# KiCad board chastity.kicad_pcb
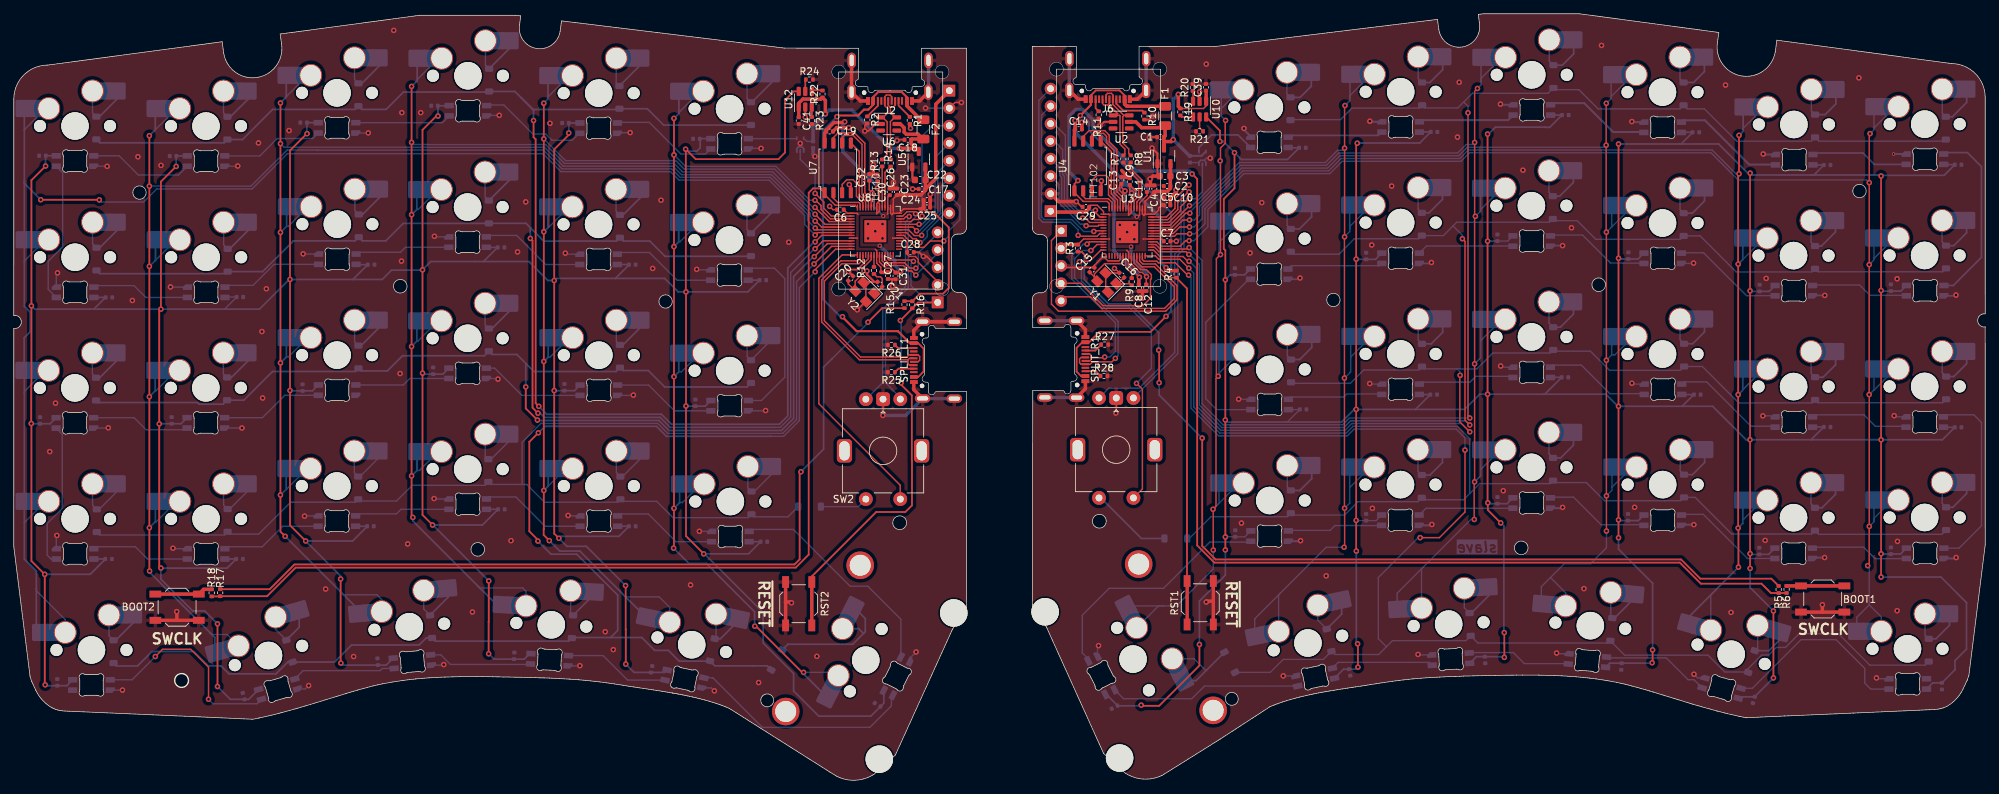
[diagram p0: board, top side]
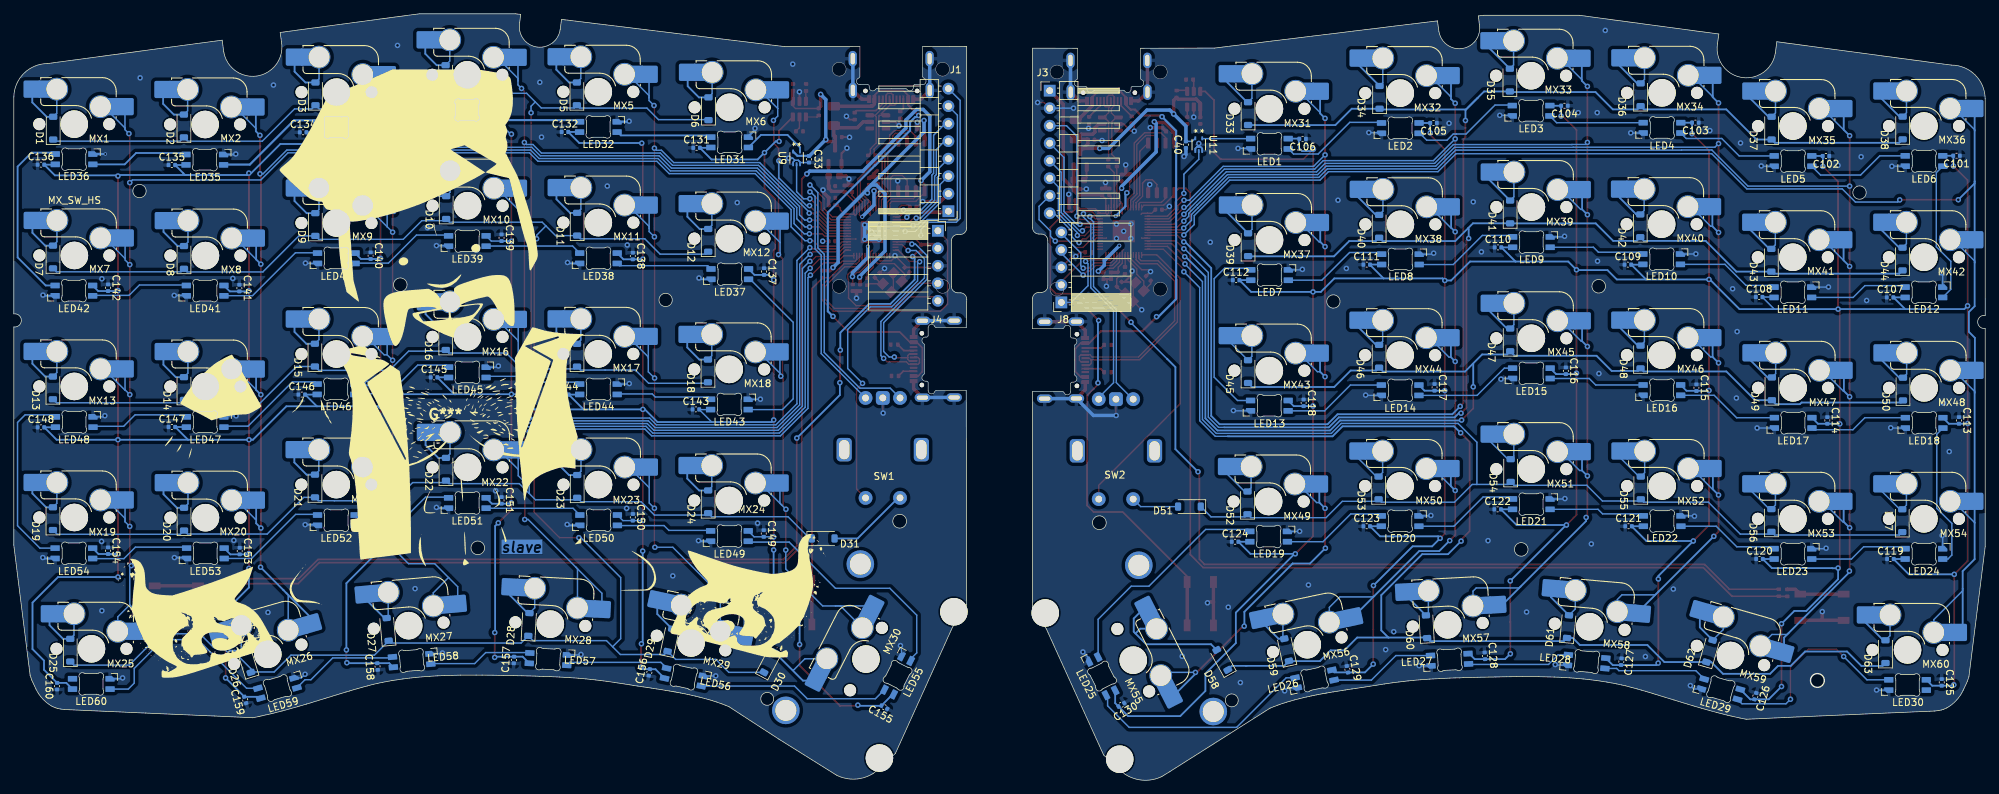
[diagram p1: board, bottom side, seen from below]

Outline 286.1 x 111.19 mm; copper layers: Top, Bottom. Coordinates in mm from the lower left corner of the outline.
Outline path: circle c18.24,85.26 r0.97 ; circle c24.35,14.48 r1 ; circle c56.09,71.67 r0.98 ; circle c67.33,33.49 r0.99 ; circle c94.59,69.46 r0.97 ; circle c109.34,11.59 r0.93 ; circle c128.56,37.36 r1 ; circle c157.54,37.58 r1 ; circle c176.76,11.81 r0.93 ; circle c191.5,69.68 r0.97 ; circle c218.76,33.72 r0.99 ; circle c230.01,71.89 r0.98 ; circle c267.85,85.48 r0.97 ; 38.84,106.93 arc(35.38,101.96) 30.46,105.49 30.24,107.14 4.91,103.75 arc(1.47,102.33) 0.01,98.91 0,67.44 arc(1.1,66.5) 0.01,65.54 0,33.91 2.37,15 2.61,14.31 3.22,13.02 arc(4.21,11.57) 5.58,10.49 6.06,10.29 6.39,10.19 6.85,10.1 7.36,10.04 8.13,10.01 29.15,9.1 34.69,8.85 35.59,9.03 37.41,9.44 38.94,9.83 41.18,10.45 42.52,10.84 45.17,11.65 48.21,12.58 48.68,12.72 49.31,12.91 49.91,13.08 50.54,13.26 51.29,13.46 52.23,13.71 52.78,13.83 53.52,13.99 54.88,14.24 56.47,14.48 57.44,14.6 58.28,14.69 59.36,14.79 60.31,14.86 61.46,14.93 62.54,14.97 64.84,15.03 67.97,15.03 69.47,15.02 71.12,14.98 73.63,14.94 75.71,14.89 76.25,14.86 76.95,14.85 77.77,14.82 79.18,14.75 80.66,14.67 81.96,14.58 83.01,14.49 83.67,14.42 84.39,14.34 85.08,14.26 86,14.14 87.19,13.97 88.41,13.78 89.3,13.64 89.99,13.53 90.58,13.44 91.33,13.33 91.89,13.25 92.51,13.15 92.84,13.1 93.3,13.03 94.07,12.91 94.62,12.82 95.1,12.74 95.56,12.66 95.68,12.64 95.79,12.62 95.97,12.59 96.14,12.56 96.4,12.51 96.74,12.45 97.04,12.39 97.4,12.32 97.81,12.23 98.05,12.18 98.5,12.08 98.94,11.98 99.55,11.83 100.21,11.66 100.89,11.47 101.39,11.32 101.93,11.15 102.76,10.86 103.23,10.68 103.78,10.46 118.4,1.21 119.49,0.55 arc(122.2,0.01) 124.82,0.87 127.94,3.67 136.25,21.96 138.27,25.11 138.24,56.41 ; 38.84,106.93 38.66,108.26 58.87,110.97 72.83,110.97 73.56,110.88 73.41,109.66 arc(75.84,106.16) 79.29,108.67 79.49,110.16 111.81,106.22 122.61,106.19 ; 131.71,106.19 138.26,106.2 138.26,80.18 arc(137.98,79.52) 137.32,79.24 136.98,79.24 arc(136.32,78.96) 136.04,78.29 136.04,71.72 arc(136.32,71.05) 136.99,70.78 137.33,70.78 arc(137.99,70.5) 138.27,69.83 138.24,65.51 ; 147.88,65.65 147.8,69.77 arc(148.08,70.44) 148.75,70.72 149.09,70.72 arc(149.75,70.99) 150.03,71.66 150.03,78.24 arc(149.76,78.9) 149.09,79.18 148.76,79.18 arc(148.09,79.46) 147.81,80.12 147.81,106.46 154.21,106.44 ; 147.88,56.55 147.81,25.45 149.86,22.23 158.16,3.89 161.31,1.03 arc(163.94,0.17) 166.65,0.71 175.07,5.97 182.32,10.68 182.87,10.9 183.34,11.08 184.17,11.37 184.71,11.54 185.21,11.69 185.89,11.88 186.55,12.05 187.16,12.2 187.6,12.3 188.05,12.4 188.29,12.45 188.7,12.54 189.06,12.61 189.36,12.67 189.7,12.73 189.96,12.78 190.13,12.81 190.31,12.84 190.42,12.86 190.54,12.88 191,12.96 191.48,13.04 192.03,13.13 192.8,13.25 193.26,13.32 193.59,13.37 194.21,13.47 194.77,13.55 195.52,13.66 196.11,13.75 196.8,13.86 197.69,14 198.91,14.19 200.1,14.36 201.02,14.48 201.71,14.56 202.43,14.64 203.09,14.71 204.14,14.8 205.44,14.89 206.92,14.97 208.33,15.04 209.15,15.07 209.85,15.08 210.39,15.11 212.47,15.16 214.98,15.2 216.63,15.24 218.13,15.25 221.26,15.25 223.56,15.19 224.64,15.15 225.79,15.08 226.74,15.01 227.82,14.91 228.66,14.82 229.63,14.7 231.22,14.46 232.58,14.21 233.32,14.05 233.87,13.93 234.81,13.68 235.56,13.48 236.19,13.3 236.79,13.13 237.42,12.94 237.89,12.8 240.93,11.87 243.58,11.06 244.92,10.67 247.16,10.05 248.69,9.66 250.51,9.25 251.41,9.07 256.95,9.32 267,9.75 277.97,10.23 278.74,10.26 279.25,10.32 279.71,10.41 280.04,10.51 280.52,10.71 arc(281.89,11.79) 282.88,13.24 283.49,14.53 283.73,15.22 286.1,34.13 286.09,65.76 arc(285,66.72) 286.1,67.66 286.09,99.13 arc(284.63,102.55) 281.19,103.97 255.86,107.36 255.64,105.71 arc(250.72,102.18) 247.26,107.15 ; 163.31,106.44 174.29,106.44 206.61,110.38 206.81,108.89 arc(210.25,106.38) 212.68,109.88 212.54,111.1 213.27,111.19 227.23,111.19 247.44,108.48 247.25,107.15

## Placement (name value [footprint] x y rotation side)
BOOT1  SW_Push  [SW_SPST_TL3342]  262.51 26.3 180 top
BOOT2  SW_Push  [SW_SPST_TL3342]  23.7 25.11 180 top
C1  1u  [C_0402_1005Metric]  166.41 93.31 180 top
C2  1u  [C_0402_1005Metric]  167.37 86.19 180 top
C3  10u  [C_0603_1608Metric]  167.07 87.65 180 top
C4  1u  [C_0402_1005Metric]  165.52 85.81 90 top
C5  100n  [C_0402_1005Metric]  167.36 83.43 0 top
C6  100n  [C_0402_1005Metric]  119.96 82.78 180 top
C7  100n  [C_0402_1005Metric]  167.37 78.2 0 top
C8  100n  [C_0402_1005Metric]  163.28 71.44 270 top
C9  100n  [C_0402_1005Metric]  161.95 86.85 90 top
C10  100n  [C_0402_1005Metric]  167.35 84.49 0 top
C11  1u  [C_0402_1005Metric]  164.45 85.83 90 top
C12  100n  [C_0402_1005Metric]  164.35 71.45 270 top
C13  100n  [C_0402_1005Metric]  160.74 87.03 90 top
C14  1u  [C_0402_1005Metric]  154.52 94.45 0 top
C15  22p  [C_0402_1005Metric]  156.47 74.05 225 top
C16  22p  [C_0402_1005Metric]  160.78 73.27 135 top
C17  1u  [C_0402_1005Metric]  131.81 85.78 180 top
C18  1u  [C_0402_1005Metric]  129.74 92.92 180 top
C19  1u  [C_0402_1005Metric]  118.39 94.12 0 top
C20  22p  [C_0402_1005Metric]  121.45 72.81 225 top
C21  22p  [C_0402_1005Metric]  125.67 71.95 135 top
C22  10u  [C_0603_1608Metric]  131.54 87.09 180 top
C23  1u  [C_0402_1005Metric]  128.17 85.36 90 top
C24  100n  [C_0402_1005Metric]  132.51 84.15 0 top
C25  100n  [C_0402_1005Metric]  132.51 83.1 0 top
C26  100n  [C_0402_1005Metric]  125.34 87.38 90 top
C27  100n  [C_0402_1005Metric]  126.87 73.2 270 top
C28  100n  [C_0402_1005Metric]  130.13 76.6 0 top
C29  100n  [C_0402_1005Metric]  155.6 83.18 180 top
C30  1u  [C_0402_1005Metric]  127.11 85.36 90 top
C31  100n  [C_0402_1005Metric]  127.95 73.17 270 top
C32  100n  [C_0402_1005Metric]  124.16 87.47 90 top
C33  100n  [C_0402_1005Metric]  170.69 90.09 90 bottom
C39  100n  [C_0402_1005Metric]  173.01 100.53 90 top
C40  100n  [C_0402_1005Metric]  116 92.2 90 bottom
C41  100n  [C_0402_1005Metric]  113.91 95.7 270 top
C101  100n  [C_0402_1005Metric]  4.16 90.6 0 bottom
C102  100n  [C_0402_1005Metric]  23.11 90.55 0 bottom
C103  100n  [C_0402_1005Metric]  42.06 95.4 0 bottom
C104  100n  [C_0402_1005Metric]  61.06 97.85 0 bottom
C105  100n  [C_0402_1005Metric]  80.06 95.35 0 bottom
C106  100n  [C_0402_1005Metric]  99.06 93.05 0 bottom
C107  100n  [C_0402_1005Metric]  13.81 70.05 180 bottom
C108  100n  [C_0402_1005Metric]  32.81 70.1 180 bottom
C109  100n  [C_0402_1005Metric]  51.86 74.8 180 bottom
C110  100n  [C_0402_1005Metric]  70.71 77.3 180 bottom
C111  100n  [C_0402_1005Metric]  89.76 74.8 180 bottom
C112  100n  [C_0402_1005Metric]  108.71 72.55 180 bottom
C113  100n  [C_0402_1005Metric]  3.81 52.2 270 bottom
C114  100n  [C_0402_1005Metric]  22.91 52.2 270 bottom
C115  100n  [C_0402_1005Metric]  41.91 56.95 270 bottom
C116  100n  [C_0402_1005Metric]  60.86 59.4 270 bottom
C117  100n  [C_0402_1005Metric]  79.91 57 270 bottom
C118  100n  [C_0402_1005Metric]  98.91 54.75 270 bottom
C119  100n  [C_0402_1005Metric]  13.76 32.1 180 bottom
C120  100n  [C_0402_1005Metric]  32.76 32.1 180 bottom
C121  100n  [C_0402_1005Metric]  51.76 36.85 180 bottom
C122  100n  [C_0402_1005Metric]  70.76 39.3 180 bottom
C123  100n  [C_0402_1005Metric]  89.76 36.85 180 bottom
C124  100n  [C_0402_1005Metric]  108.86 34.6 180 bottom
C125  100n  [C_0402_1005Metric]  6.31 14.2 270 bottom
C126  100n  [C_0402_1005Metric]  33.36 12.2 286 bottom
C127  100n  [C_0402_1005Metric]  52.81 17.2 275 bottom
C128  100n  [C_0402_1005Metric]  72.61 18.05 266 bottom
C129  100n  [C_0402_1005Metric]  92.56 16.1 259 bottom
C130  100n  [C_0402_1005Metric]  125.36 10.95 329 bottom
C131  100n  [C_0402_1005Metric]  187.01 91.75 180 bottom
C132  100n  [C_0402_1005Metric]  206.11 94.05 180 bottom
C133  100n  [C_0402_1005Metric]  225.16 96.5 180 bottom
C134  100n  [C_0402_1005Metric]  244.11 94 180 bottom
C135  100n  [C_0402_1005Metric]  263.16 89.25 180 bottom
C136  100n  [C_0402_1005Metric]  282.16 89.3 180 bottom
C137  100n  [C_0402_1005Metric]  177.21 73.8 270 bottom
C138  100n  [C_0402_1005Metric]  196.26 76.05 270 bottom
C139  100n  [C_0402_1005Metric]  215.31 78.7 270 bottom
C140  100n  [C_0402_1005Metric]  234.31 76.1 270 bottom
C141  100n  [C_0402_1005Metric]  253.36 71.4 270 bottom
C142  100n  [C_0402_1005Metric]  272.41 71.45 270 bottom
C143  100n  [C_0402_1005Metric]  187.11 53.8 180 bottom
C144  100n  [C_0402_1005Metric]  206.06 55.95 180 bottom
C145  100n  [C_0402_1005Metric]  225.11 58.45 180 bottom
C146  100n  [C_0402_1005Metric]  244.31 55.95 180 bottom
C147  100n  [C_0402_1005Metric]  263.16 51.25 180 bottom
C148  100n  [C_0402_1005Metric]  282.16 51.2 180 bottom
C149  100n  [C_0402_1005Metric]  177.26 35.8 270 bottom
C150  100n  [C_0402_1005Metric]  196.26 38.15 270 bottom
C151  100n  [C_0402_1005Metric]  215.31 40.6 270 bottom
C152  100n  [C_0402_1005Metric]  234.26 38.15 270 bottom
C153  100n  [C_0402_1005Metric]  253.31 33.25 270 bottom
C154  100n  [C_0402_1005Metric]  272.41 33.3 270 bottom
C155  100n  [C_0402_1005Metric]  159.76 10.6 28 bottom
C156  100n  [C_0402_1005Metric]  193.86 15.65 101 bottom
C157  100n  [C_0402_1005Metric]  213.51 17.45 93 bottom
C158  100n  [C_0402_1005Metric]  233.31 16.5 86 bottom
C159  100n  [C_0402_1005Metric]  252.51 11.65 74 bottom
C160  100n  [C_0402_1005Metric]  279.81 13.65 90 bottom
D1  D_Small  [D_SOD-123]  280.38 94.6 90 bottom
D2  D_Small  [D_SOD-123]  261.41 94.92 90 bottom
D3  D_Small  [D_SOD-123]  242.32 99.58 90 bottom
D4  D_Small  [D_SOD-123]  223.43 102.09 90 bottom
D5  D_Small  [D_SOD-123]  204.38 99.58 90 bottom
D6  D_Small  [D_SOD-123]  185.28 97.42 90 bottom
D7  D_Small  [D_SOD-123]  280.41 75.91 90 bottom
D8  D_Small  [D_SOD-123]  261.4 75.85 90 bottom
D9  D_Small  [D_SOD-123]  242.33 80.62 90 bottom
D10  D_Small  [D_SOD-123]  223.34 83.08 90 bottom
D11  D_Small  [D_SOD-123]  204.34 80.67 90 bottom
D12  D_Small  [D_SOD-123]  185.32 78.33 90 bottom
D13  D_Small  [D_SOD-123]  280.42 56.92 90 bottom
D14  D_Small  [D_SOD-123]  261.4 56.83 90 bottom
D15  D_Small  [D_SOD-123]  242.4 61.68 90 bottom
D16  D_Small  [D_SOD-123]  223.41 64.08 90 bottom
D17  D_Small  [D_SOD-123]  204.36 61.66 90 bottom
D18  D_Small  [D_SOD-123]  185.36 59.38 90 bottom
D19  D_Small  [D_SOD-123]  280.41 37.95 90 bottom
D20  D_Small  [D_SOD-123]  261.39 37.88 90 bottom
D21  D_Small  [D_SOD-123]  242.39 42.69 90 bottom
D22  D_Small  [D_SOD-123]  223.38 45.12 90 bottom
D23  D_Small  [D_SOD-123]  204.33 42.63 90 bottom
D24  D_Small  [D_SOD-123]  185.33 40.4 90 bottom
D25  D_Small  [D_SOD-123]  277.9 18.87 90 bottom
D26  D_Small  [D_SOD-123]  252.17 17.22 73 bottom
D27  D_Small  [D_SOD-123]  231.84 21.89 85 bottom
D28  D_Small  [D_SOD-123]  211.35 22.61 93 bottom
D29  D_Small  [D_SOD-123]  190.88 20.32 102 bottom
D30  D_Small  [D_SOD-123]  176.46 17.11 118 bottom
D31  D_Small  [D_SOD-123]  168.64 35.08 180 bottom
D33  D_Small  [D_SOD-123]  106.98 96.71 90 bottom
D34  D_Small  [D_SOD-123]  87.89 99.07 90 bottom
D35  D_Small  [D_SOD-123]  68.98 101.57 90 bottom
D36  D_Small  [D_SOD-123]  50.01 99.45 90 bottom
D37  D_Small  [D_SOD-123]  31 94.6 90 bottom
D38  D_Small  [D_SOD-123]  11.98 94.63 90 bottom
D39  D_Small  [D_SOD-123]  106.98 77.69 90 bottom
D40  D_Small  [D_SOD-123]  87.96 80.36 90 bottom
D41  D_Small  [D_SOD-123]  68.95 82.44 90 bottom
D42  D_Small  [D_SOD-123]  50.06 80.44 90 bottom
D43  D_Small  [D_SOD-123]  31.04 75.44 90 bottom
D44  D_Small  [D_SOD-123]  12 75.61 90 bottom
D45  D_Small  [D_SOD-123]  106.98 59.28 90 bottom
D46  D_Small  [D_SOD-123]  87.96 61.51 90 bottom
D47  D_Small  [D_SOD-123]  68.94 63.89 90 bottom
D48  D_Small  [D_SOD-123]  50.02 61.4 90 bottom
D49  D_Small  [D_SOD-123]  30.96 56.79 90 bottom
D50  D_Small  [D_SOD-123]  11.93 56.75 90 bottom
D51  D_Small  [D_SOD-123]  115.49 39.7 0 bottom
D52  D_Small  [D_SOD-123]  107.06 40.24 90 bottom
D53  D_Small  [D_SOD-123]  88.03 42.41 90 bottom
D54  D_Small  [D_SOD-123]  68.87 44.93 90 bottom
D55  D_Small  [D_SOD-123]  49.98 42.41 90 bottom
D56  D_Small  [D_SOD-123]  31.03 37.69 90 bottom
D57  D_Small  [D_SOD-123]  12.04 37.66 90 bottom
D58  D_Small  [D_SOD-123]  110.72 17.46 61 bottom
D59  D_Small  [D_SOD-123]  101.38 18.92 78 bottom
D60  D_Small  [D_SOD-123]  81.08 22.27 87 bottom
D61  D_Small  [D_SOD-123]  60.55 22.29 95 bottom
D62  D_Small  [D_SOD-123]  40 18.74 106 bottom
D63  D_Small  [D_SOD-123]  14.47 18.66 90 bottom
F1  Fuse_Small  [Fuse_1206_3216Metric]  167.07 96.37 270 top
F2  Fuse_Small  [Fuse_1206_3216Metric]  131.99 94.42 270 top
G***  LOGO  [mrSlave2]  223.46 53.07 180 bottom
J1  Conn_01x08_Pin  [PinHeader_1x08_P2.54mm_Horizontal]  150.46 82.55 0 bottom
J2  USB_C_Receptacle_USB2.0  [USB_C_Receptacle_HRO_TYPE-C-31-M-14]  127.15 99.75 180 top
J3  Conn_01x08_Pin  [PinHeader_1x08_P2.54mm_Horizontal]  135.77 100.04 180 bottom
J4  Conn_01x05  [PinSocket_1x05_P2.54mm_Horizontal]  151.99 79.71 180 bottom
J6  USB_C_Receptacle_USB2.0  [USB_C_Receptacle_HRO_TYPE-C-31-M-14]  158.75 100 180 top
J8  Conn_01x05  [PinSocket_1x05_P2.54mm_Horizontal]  134.07 69.33 0 bottom
LED1  SK6803MINI-E  [LED_MX_6028R]  103.88 92.33 180 bottom
LED2  SK6803MINI-E  [LED_MX_6028R]  84.89 94.6 180 bottom
LED3  SK6803MINI-E  [LED_MX_6028R]  65.91 97.12 180 bottom
LED4  SK6803MINI-E  [LED_MX_6028R]  46.91 94.64 180 bottom
LED5  SK6803MINI-E  [LED_MX_6028R]  27.9 89.82 180 bottom
LED6  SK6803MINI-E  [LED_MX_6028R]  8.89 89.83 180 bottom
LED7  SK6803MINI-E  [LED_MX_6028R]  103.86 73.29 0 bottom
LED8  SK6803MINI-E  [LED_MX_6028R]  84.87 75.57 0 bottom
LED9  SK6803MINI-E  [LED_MX_6028R]  65.86 78.07 0 bottom
LED10  SK6803MINI-E  [LED_MX_6028R]  46.96 75.59 0 bottom
LED11  SK6803MINI-E  [LED_MX_6028R]  27.92 70.79 0 bottom
LED12  SK6803MINI-E  [LED_MX_6028R]  8.9 70.79 0 bottom
LED13  SK6803MINI-E  [LED_MX_6028R]  103.89 54.34 180 bottom
LED14  SK6803MINI-E  [LED_MX_6028R]  84.91 56.58 180 bottom
LED15  SK6803MINI-E  [LED_MX_6028R]  65.86 59.04 180 bottom
LED16  SK6803MINI-E  [LED_MX_6028R]  46.92 56.59 180 bottom
LED17  SK6803MINI-E  [LED_MX_6028R]  27.87 51.85 180 bottom
LED18  SK6803MINI-E  [LED_MX_6028R]  8.86 51.84 180 bottom
LED19  SK6803MINI-E  [LED_MX_6028R]  103.99 35.36 0 bottom
LED20  SK6803MINI-E  [LED_MX_6028R]  84.91 37.6 0 bottom
LED21  SK6803MINI-E  [LED_MX_6028R]  65.87 40.06 0 bottom
LED22  SK6803MINI-E  [LED_MX_6028R]  46.88 37.61 0 bottom
LED23  SK6803MINI-E  [LED_MX_6028R]  27.9 32.85 0 bottom
LED24  SK6803MINI-E  [LED_MX_6028R]  8.89 32.85 0 bottom
LED25  SK6803MINI-E  [LED_MX_6028R]  128.17 15.12 243 bottom
LED26  SK6803MINI-E  [LED_MX_6028R]  97.32 14.7 168 bottom
LED27  SK6803MINI-E  [LED_MX_6028R]  77.74 17.48 177 bottom
LED28  SK6803MINI-E  [LED_MX_6028R]  57.84 17.21 185 bottom
LED29  SK6803MINI-E  [LED_MX_6028R]  38.37 13.22 196 bottom
LED30  SK6803MINI-E  [LED_MX_6028R]  11.27 13.83 180 bottom
LED31  SK6803MINI-E  [LED_MX_6028R]  182.21 92.55 0 bottom
LED32  SK6803MINI-E  [LED_MX_6028R]  201.27 94.78 0 bottom
LED33  SK6803MINI-E  [LED_MX_6028R]  220.3 97.25 0 bottom
LED34  SK6803MINI-E  [LED_MX_6028R]  239.27 94.73 0 bottom
LED35  SK6803MINI-E  [LED_MX_6028R]  258.38 90.03 0 bottom
LED36  SK6803MINI-E  [LED_MX_6028R]  277.35 90.1 0 bottom
LED37  SK6803MINI-E  [LED_MX_6028R]  182.19 73.43 180 bottom
LED38  SK6803MINI-E  [LED_MX_6028R]  201.25 75.73 180 bottom
LED39  SK6803MINI-E  [LED_MX_6028R]  220.28 78.23 180 bottom
LED40  SK6803MINI-E  [LED_MX_6028R]  239.29 75.73 180 bottom
LED41  SK6803MINI-E  [LED_MX_6028R]  258.33 71.03 180 bottom
LED42  SK6803MINI-E  [LED_MX_6028R]  277.38 71.03 180 bottom
LED43  SK6803MINI-E  [LED_MX_6028R]  182.25 54.52 0 bottom
LED44  SK6803MINI-E  [LED_MX_6028R]  201.25 56.73 0 bottom
LED45  SK6803MINI-E  [LED_MX_6028R]  220.28 59.18 0 bottom
LED46  SK6803MINI-E  [LED_MX_6028R]  239.34 56.73 0 bottom
LED47  SK6803MINI-E  [LED_MX_6028R]  258.33 51.98 0 bottom
LED48  SK6803MINI-E  [LED_MX_6028R]  277.33 51.98 0 bottom
LED49  SK6803MINI-E  [LED_MX_6028R]  182.24 35.43 180 bottom
LED50  SK6803MINI-E  [LED_MX_6028R]  201.23 37.73 180 bottom
LED51  SK6803MINI-E  [LED_MX_6028R]  220.28 40.23 180 bottom
LED52  SK6803MINI-E  [LED_MX_6028R]  239.29 37.73 180 bottom
LED53  SK6803MINI-E  [LED_MX_6028R]  258.29 32.93 180 bottom
LED54  SK6803MINI-E  [LED_MX_6028R]  277.38 32.93 180 bottom
LED55  SK6803MINI-E  [LED_MX_6028R]  157.84 15.23 297 bottom
LED56  SK6803MINI-E  [LED_MX_6028R]  188.84 14.97 12 bottom
LED57  SK6803MINI-E  [LED_MX_6028R]  208.53 17.58 3 bottom
LED58  SK6803MINI-E  [LED_MX_6028R]  228.36 17.38 355 bottom
LED59  SK6803MINI-E  [LED_MX_6028R]  247.84 13.38 344 bottom
LED60  SK6803MINI-E  [LED_MX_6028R]  274.85 13.98 0 bottom
MX1  MX_SW_HS  [SW_MX_HS_1u]  277.32 95.18 180 bottom
MX2  MX_SW_HS  [SW_MX_HS_1u]  258.33 95.13 180 bottom
MX3  MX_SW_HS  [SW_MX_HS_1u]  239.26 99.83 180 bottom
MX4  MX_SW_HS  [SW_MX_HS_1u]  220.29 102.34 180 bottom
MX5  MX_SW_HS  [SW_MX_HS_1u]  201.27 99.88 180 bottom
MX6  MX_SW_HS  [SW_MX_HS_1u]  182.21 97.62 180 bottom
MX7  MX_SW_HS  [SW_MX_HS_1u]  277.3 76.13 180 bottom
MX8  MX_SW_HS  [SW_MX_HS_1u]  258.28 76.11 180 bottom
MX9  MX_SW_HS  [SW_MX_HS_1u]  239.27 80.84 180 bottom
MX10  MX_SW_HS  [SW_MX_HS_1u]  220.24 83.35 180 bottom
MX11  MX_SW_HS  [SW_MX_HS_1u]  201.26 80.9 180 bottom
MX12  MX_SW_HS  [SW_MX_HS_1u]  182.25 78.57 180 bottom
MX13  MX_SW_HS  [SW_MX_HS_1u]  277.31 57.13 180 bottom
MX14  MX_SW_HS  [SW_MX_HS_1u]  258.29 57.11 180 bottom
MX15  MX_SW_HS  [SW_MX_HS_1u]  239.27 61.83 180 bottom
MX16  MX_SW_HS  [SW_MX_HS_1u]  220.25 64.32 180 bottom
MX17  MX_SW_HS  [SW_MX_HS_1u]  201.27 61.85 180 bottom
MX18  MX_SW_HS  [SW_MX_HS_1u]  182.27 59.6 180 bottom
MX19  MX_SW_HS  [SW_MX_HS_1u]  277.31 38.12 180 bottom
MX20  MX_SW_HS  [SW_MX_HS_1u]  258.28 38.09 180 bottom
MX21  MX_SW_HS  [SW_MX_HS_1u]  239.29 42.89 180 bottom
MX22  MX_SW_HS  [SW_MX_HS_1u]  220.25 45.39 180 bottom
MX23  MX_SW_HS  [SW_MX_HS_1u]  201.24 42.89 180 bottom
MX24  MX_SW_HS  [SW_MX_HS_1u]  182.27 40.58 180 bottom
MX25  MX_SW_HS  [SW_MX_HS_1u]  274.82 19.07 180 bottom
MX26  MX_SW_HS  [SW_MX_HS_1u]  249.23 18.28 164 bottom
MX27  MX_SW_HS  [SW_MX_HS_1u]  228.79 22.43 175 bottom
MX28  MX_SW_HS  [SW_MX_HS_1u]  208.23 22.65 183 bottom
MX29  MX_SW_HS  [SW_MX_HS_1u]  187.81 19.91 192 bottom
MX30  MX_SW_HS  [SW_MX_HS_1u]  162.43 17.58 117 bottom
MX31  MX_SW_HS  [SW_MX_HS_1u]  103.88 97.41 180 bottom
MX32  MX_SW_HS  [SW_MX_HS_1u]  84.89 99.68 180 bottom
MX33  MX_SW_HS  [SW_MX_HS_1u]  65.91 102.2 180 bottom
MX34  MX_SW_HS  [SW_MX_HS_1u]  46.91 99.72 180 bottom
MX35  MX_SW_HS  [SW_MX_HS_1u]  27.9 94.9 180 bottom
MX36  MX_SW_HS  [SW_MX_HS_1u]  8.89 94.91 180 bottom
MX37  MX_SW_HS  [SW_MX_HS_1u]  103.86 78.37 180 bottom
MX38  MX_SW_HS  [SW_MX_HS_1u]  84.87 80.65 180 bottom
MX39  MX_SW_HS  [SW_MX_HS_1u]  65.86 83.15 180 bottom
MX40  MX_SW_HS  [SW_MX_HS_1u]  46.96 80.67 180 bottom
MX41  MX_SW_HS  [SW_MX_HS_1u]  27.92 75.87 180 bottom
MX42  MX_SW_HS  [SW_MX_HS_1u]  8.9 75.87 180 bottom
MX43  MX_SW_HS  [SW_MX_HS_1u]  103.89 59.42 180 bottom
MX44  MX_SW_HS  [SW_MX_HS_1u]  84.91 61.66 180 bottom
MX45  MX_SW_HS  [SW_MX_HS_1u]  65.86 64.12 180 bottom
MX46  MX_SW_HS  [SW_MX_HS_1u]  46.92 61.67 180 bottom
MX47  MX_SW_HS  [SW_MX_HS_1u]  27.87 56.93 180 bottom
MX48  MX_SW_HS  [SW_MX_HS_1u]  8.86 56.92 180 bottom
MX49  MX_SW_HS  [SW_MX_HS_1u]  103.99 40.44 180 bottom
MX50  MX_SW_HS  [SW_MX_HS_1u]  84.91 42.68 180 bottom
MX51  MX_SW_HS  [SW_MX_HS_1u]  65.87 45.14 180 bottom
MX52  MX_SW_HS  [SW_MX_HS_1u]  46.88 42.69 180 bottom
MX53  MX_SW_HS  [SW_MX_HS_1u]  27.9 37.93 180 bottom
MX54  MX_SW_HS  [SW_MX_HS_1u]  8.89 37.93 180 bottom
MX55  MX_SW_HS  [SW_MX_HS_1u]  123.64 17.42 243 bottom
MX56  MX_SW_HS  [SW_MX_HS_1u]  98.38 19.67 168 bottom
MX57  MX_SW_HS  [SW_MX_HS_1u]  78 22.56 177 bottom
MX58  MX_SW_HS  [SW_MX_HS_1u]  57.4 22.27 185 bottom
MX59  MX_SW_HS  [SW_MX_HS_1u]  36.97 18.1 196 bottom
MX60  MX_SW_HS  [SW_MX_HS_1u]  11.27 18.91 180 bottom
R1  5K1  [R_0402_1005Metric]  130.04 95.73 270 top
R2  5K1  [R_0402_1005Metric]  123.86 95.8 270 top
R3  5K1  [R_0402_1005Metric]  154.44 77.19 90 top
R4  5K1  [R_0402_1005Metric]  168.74 73.42 90 top
R5  5K1  [R_0402_1005Metric]  256.12 27.67 90 top
R6  1k  [R_0402_1005Metric]  257.27 27.68 90 top
R7  27  [R_0402_1005Metric]  161.02 90.15 90 top
R8  27  [R_0402_1005Metric]  162.1 90.15 90 top
R9  1k  [R_0402_1005Metric]  162.24 72.33 270 top
R10  5K1  [R_0402_1005Metric]  164.08 96.35 270 top
R11  5K1  [R_0402_1005Metric]  157.45 96.53 270 top
R12  1k  [R_0402_1005Metric]  124.83 73.96 270 top
R13  27  [R_0402_1005Metric]  126.02 89.55 90 top
R14  27  [R_0402_1005Metric]  127.26 89.54 90 top
R15  5K1  [R_0402_1005Metric]  129.26 69 90 top
R16  5K1  [R_0402_1005Metric]  130.39 68.98 90 top
R17  5K1  [R_0402_1005Metric]  29.96 27.21 90 top
R18  1k  [R_0402_1005Metric]  28.73 27.19 90 top
R19  5k1  [R_0402_1005Metric]  169.3 96.95 270 top
R20  5k1  [R_0402_1005Metric]  171.11 100.5 90 top
R21  75k  [R_0402_1005Metric]  172.08 94.14 180 top
R22  5k1  [R_0402_1005Metric]  117.36 99.55 90 top
R23  5k1  [R_0402_1005Metric]  115.81 95.7 270 top
R24  75k  [R_0402_1005Metric]  115.46 101.65 0 top
R25  5K1  [R_0402_1005Metric]  127.36 59.2 180 top
R26  5K1  [R_0402_1005Metric]  127.36 63.15 180 top
R27  5K1  [R_0402_1005Metric]  158.31 63.2 0 top
R28  5K1  [R_0402_1005Metric]  158.21 58.65 0 top
RST1  SW_Push  [SW_SPST_TL3342]  172.18 25.75 270 top
RST2  SW_Push  [SW_SPST_TL3342]  113.91 25.61 90 top
S1  MX_stab  [STAB_MX_P_2u]  162.43 17.58 117 bottom
S2  MX_stab  [STAB_MX_P_2u]  123.65 17.41 63 top
SPLIT_L1  USB_C_Receptacle_USB2.0  [USB_C_Receptacle_HRO_TYPE-C-31-M-14]  131.81 60.96 90 top
SPLIT_R1  USB_C_Receptacle_USB2.0  [USB_C_Receptacle_HRO_TYPE-C-31-M-14]  154.31 61.09 270 top
SW1  RotaryEncoder_Switch  [ROT_Alps_EC11E-Switch]  159.99 47.96 180 top
SW2  RotaryEncoder_Switch  [ROT_Alps_EC11E-Switch]  126.15 47.79 180 top
TFT101  ~  [TFT 1.47 waveshare]  119.26 71.25 90 top
TFT102  ~  [TFT 1.47 waveshare]  150.86 71.65 90 top
U1  XC6206PxxxMR  [SOT-23-3]  166.92 90.59 90 top
U2  SRV05-4  [SOT-23-6-routable]  160.7 95.51 0 top
U3  RP2040  [QFN-56-1EP_7x7mm_P0.4mm_EP3.2x3.2mm]  161.58 79.52 0 top
U4  W25Q128JVS  [SOIC-8_5.23x5.23mm_P1.27mm]  155.83 89.12 90 top
U5  XC6206PxxxMR  [SOT-23-3]  131.34 90.09 90 top
U6  SRV05-4  [SOT-23-6-routable]  126.96 95.21 0 top
U7  W25Q128JVS  [SOIC-8_5.23x5.23mm_P1.27mm]  119.58 88.84 90 top
U8  RP2040  [QFN-56-1EP_7x7mm_P0.4mm_EP3.2x3.2mm]  125.03 79.65 0 top
U9  74AHC1G125  [DRL5]  172.5 90.29 90 bottom
U10  TPS2553DBVR  [SOT-23-6]  172.09 97.36 270 top
U11  74AHC1G125  [DRL5]  114.13 92.21 90 bottom
U12  TPS2553DBVR  [SOT-23-6]  114.86 98.8 90 top
Y1  Crystal_GND24  [Crystal_SMD_3225-4Pin_3.2x2.5mm]  158.62 72.21 135 top
Y2  Crystal_GND24  [Crystal_SMD_3225-4Pin_3.2x2.5mm]  123.5 70.82 135 top

## Library data of the parts
BOOT1 BOOT2 RST1 RST2 = -: Description: Push button switch, generic, two pins
C1-C33 C40 C101-C160 = -: Description: Unpolarized capacitor, small symbol
C39 C41 = -: Description: Unpolarized capacitor; LCSC: C1760
D1-D31 D33-D63 = -: Description: Diode, small symbol; Sim.Device: D; Sim.Pins: 1=K 2=A
F1 F2 = -: Description: Fuse, small symbol
J1 J3 = -: Description: Generic connector, single row, 01x08, script generated
J2 J6 SPLIT_L1 SPLIT_R1 = -: Description: USB 2.0-only Type-C Receptacle connector
J4 J8 = -: Description: Generic connector, single row, 01x05, script generated (kicad-library-utils/schlib/autogen/connector/)
LED1-LED60 = -: Description: Reverse mount adressable LED (WS2812 protocol); Field4: 1
MX1-MX60 = -: Description: Push button switch, normally open, two pins, 45° tilted
R1-R18 R25-R28 = -: Description: Resistor, small symbol
R19 R20 R22 R23 = -: Description: Resistor; LCSC: C27834
R21 R24 = -: Description: Resistor; LCSC: C17819
S1 S2 = -: Description: Cherry MX-style stabilizer
SW1 SW2 = -: Description: Rotary encoder, dual channel, incremental quadrate outputs, with switch
U1 U5 = -: Description: Positive 60-250mA Low Dropout Regulator, Fixed Output, SOT-23
U2 U6 = -: Description: ESD Protection Diodes with Low Clamping Voltage, SOT-23-6
U3 U8 = -: Description: A microcontroller by Raspberry Pi
U4 U7 = -: Description: 128Mb Serial Flash Memory, Standard/Dual/Quad SPI, SOIC-8
U9 U11 = -: Description: Single Buffer Gate Tri-State, Low-Voltage CMOS
U10 U12 = -: LCSC: C55266
Y1 Y2 = -: Description: Four pin crystal, GND on pins 2 and 4
